# Altium PCB NORA-B1-EVK.PcbDoc (part 5 of 6)
Units mil, origin at the board's own origin, x right, y up, seen from the top; angles counter-clockwise.
Board outline 4300 x 2200 mil, 4 copper layers (L1, L2, L3, L4), stack 61.418 mil thick; 362 components, 204 nets, 1273 pads, 1409 vias.
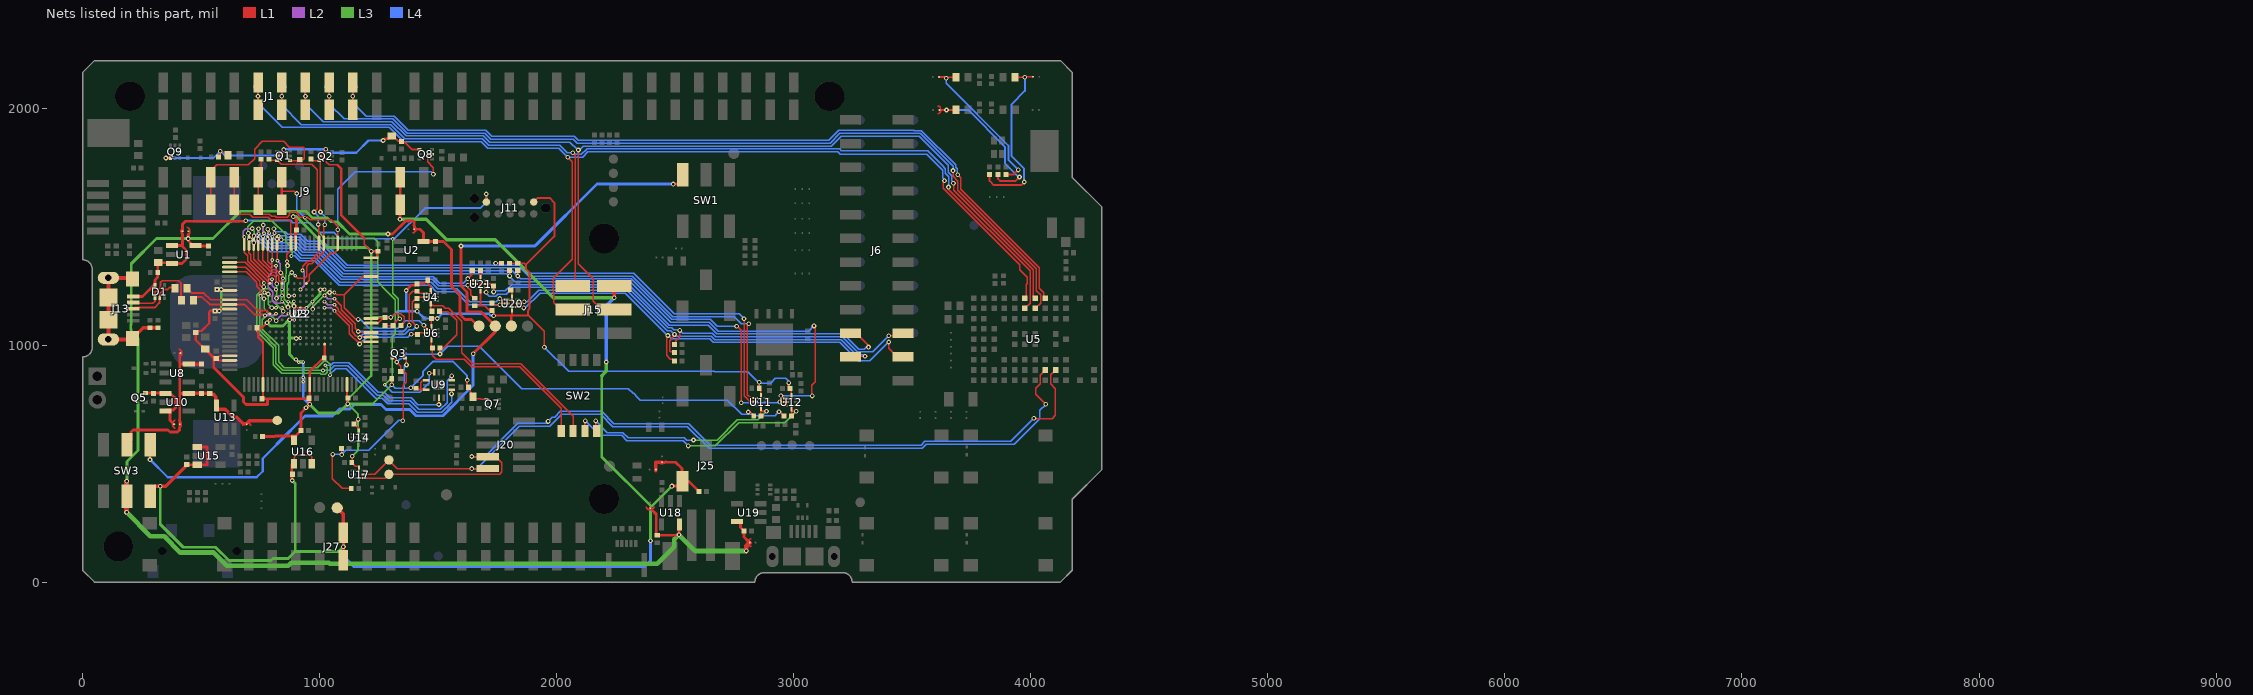
[diagram p7: the nets of this part, all layers, seen from the top]

## Via types
v1: diameter 20, hole 10, L1 to L4, 1095 vias
v2: diameter 15.75, hole 7.87, L1 to L2, 114 vias
v3: diameter 20, hole 10, L1 to L4, tented both sides, 105 vias
v4: diameter 15.75, hole 7.87, L3 to L4, 48 vias
v5: diameter 20, hole 10, L2 to L3, 47 vias

## Nets (pads, with @x,y where several pads share a name; then routed paths per layer and width w, separated by ;. In a path a pad name is that pad's centre, name@x,y a point inside that pad or via, vN(x,y) a via of type N, cw(c..) or ccw(c..) an arc to the next point about the centre after c; other vN are vias at no path point) (continued)
P111: J1.9 TP47.1 U5.H9 | length 3588.9
  L1 w6: v1(1140,2050) 1141,2106.68 J1.9@1140,2107.68 ; v1(3692.11,1718.59) 3704.48,1706.22 3704.48,1657.5 4034.9,1327.08 4034.9,1239.17 4053.5,1220.57 4053.5,1206.34 U5.H9@4061.61,1198.23
  L1 w8: J1.9@1140,1992.32 v1(1140,2050)
  L4 w6: TP47.1@1140,2090 v1(1140,2050) 1140,2023.26 1197.24,1966.02 1314.08,1966.02 1374.12,1905.98 1700.55,1905.98 1726.42,1880.11 2074.2,1880.11 2090.43,1863.87 3148.53,1863.87 3190.17,1905.51 3506.85,1905.51 3507.74,1904.62 3538.75,1904.62 3683.58,1759.79 3683.58,1751.05 3690.58,1744.05 3690.58,1728.39 3687.27,1725.09 v1@3692.11,1720.25
P112: J1.8 TP48.1 U5.G8 | length 3782.2
  L1 w6: J1.8@1040,1992.32 J1.8@1040,2107.68 v1(1040,2050) ; v1(3671.67,1736.22) 3671.67,1725.09 3671.67,1711.7 3692.58,1690.8 3692.58,1662.43 3692.58,1652.57 4022.99,1322.15 4022.99,1234.24 4023.8,1233.44 4023.8,1229.72 4040.87,1212.65 4040.87,1177.48 U5.G8@4018.31,1154.92
  L4 w6: TP48.1@1040,2090 v1(1040,2050) 1040.35,2049.65 1040.35,2016.73 1102.97,1954.12 1309.15,1954.12 1369.19,1894.08 1695.62,1894.08 1721.49,1868.2 2069.27,1868.2 2085.5,1851.97 3153.46,1851.97 3194.21,1892.72 3533.82,1892.72 3671.67,1754.86 v1(3671.67,1736.22)
P113: J1.7 J15.4 TP49.1 U5.G9 | length 4590.3
  L1 w6: J1.7@940,1992.32 J1.7@940,2107.68 v1(940,2050) ; v1(2091.54,1823.13) 2091.54,1342.52 2155,1279.06 2155,1185.55 2190.55,1150 J15.4@2242.4,1150 ; v1(3673.49,1683.15) 3674.39,1682.24 3674.39,1653.21 4010.47,1317.13 4010.47,1206.07 U5.G9@4018.31,1198.23
  L4 w6: TP49.1@940,2090 v1(940,2050) 940,2017.68 1015.46,1942.21 1304.21,1942.21 1364.25,1882.17 1690.68,1882.17 1716.56,1856.3 2055.43,1856.3 2088.6,1823.13 v1(2091.54,1823.13) ; v1@2091.54,1822.83 2094.18,1822.83 2110.91,1839.57 2122.93,1839.57 2123.02,1839.66 3158.56,1839.66 3199.71,1880.81 3528.89,1880.81 3651.51,1758.19 3651.51,1729.65 3663.84,1717.31 3664.12,1717.31 3666.49,1714.94 3666.49,1693.03 3673.49,1686.03 v1(3673.49,1683.15)
P114: J1.6 J15.1 TP50.1 U5.F8 | length 4443.8
  L1 w6: J1.6@840,1992.32 v1(840,2050) J1.6@840,2107.68 ; J15.1@2067.6,1250 2078.93,1261.33 2078.93,1799.9 v1(2067.6,1811.23) ; v1(3652.76,1666.47) 3652.76,1665.08 3652.56,1664.88 3652.56,1658.2 3997.56,1313.2 3997.56,1177.48 U5.F8@3975,1154.92
  L4 w6: TP50.1@840,2090 v1(840,2050) 840,2013.35 923.04,1930.31 1299.28,1930.31 1359.32,1870.27 1685.75,1870.27 1713.41,1842.61 2012.81,1842.61 2043.99,1811.43 2067.39,1811.43 v1(2067.6,1811.23) ; v1@2067.6,1810.71 2071.91,1810.71 2078.39,1804.23 2103.85,1804.23 2126.64,1827.01 2127.21,1827.01 2127.95,1827.76 3192.93,1827.76 3200.02,1820.66 3565.17,1820.66 3632.87,1752.95 3632.87,1749.81 3639.6,1743.08 3639.6,1724.72 3654.58,1709.73 3654.58,1666.47 v1(3652.76,1666.47)
P115: J1.5 J15.3 TP51.1 U5.F9 | length 4656.1
  L1 w6: J1.5@740,1992.32 v1(740,2050) J1.5@740,2107.68 ; v1(2046.16,1792.53) 2065.94,1772.74 2065.94,1361.18 1986.25,1281.49 1986.25,1221.31 1986.52,1221.04 1986.52,1181.24 1990.34,1177.42 1990.34,1177.03 2017.37,1150 J15.3@2067.6,1150 ; v1(3635.68,1693) 3636.52,1693 3638.08,1691.44 3631,1684.35 3631,1661.5 3953.74,1338.76 3953.74,1317.79 3985.24,1286.29 3985.24,1260.08 3980.63,1255.47 3980.63,1203.86 U5.F9@3975,1198.23
  L4 w6: TP51.1@740,2090 v1(740,2050) 740,2020.83 842.43,1918.4 1294.35,1918.4 1354.39,1858.36 1680.82,1858.36 1708.47,1830.71 2007.87,1830.71 2046.06,1792.53 v1(2046.16,1792.53) v1@2046.26,1792.53 ; v1@2046.26,1792.32 2108.78,1792.32 2131.57,1815.11 3186.09,1815.11 3197.06,1804.13 3561.71,1804.13 3627.69,1738.15 3627.69,1704.95 3638.08,1694.56 3636.52,1693 v1(3635.68,1693)
RGB_B: J5.1 LED2.1 R11.1 | length 754.1
  L1 w8: R11.1@3826,1720.25 3826,1693 3844,1675 3960,1675 3972,1687 v1(3972,1688) ; LED2.1@3934.59,2142 3946.67,2129.92 v1(3974.41,2129.92) 3976.38,2131.89 J5.1@4008.83,2131.89
  L4 w8: v1(3972,1688) 3972,1744 3919,1797 3919,2016 3975,2072 3975,2129.33 v1(3974.41,2129.92)
RGB_G: J7.1 LED3.1 R12.1 | length 654.9
  L1 w8: J7.1@3614,1992 3620.87,1992 v1(3644,1992) LED3.1@3683.41,1992 ; R12.1@3861,1720.25 3861,1702 3870,1693 3936,1693 v1(3952,1709)
  L4 w8: v1(3644,1992) 3735.2,1992 3891,1836.2 3891,1766.72 3948.72,1709 v1(3952,1709)
RGB_R: J4.1 LED1.1 R13.1 | length 646.4
  L1 w8: J4.1@3612.98,2131.44 3637.34,2131.44 v1(3643,2125.78) 3647.14,2129.92 LED1.1@3683.89,2129.92 ; R13.1@3896,1720.25 3928.25,1720.25 v1(3947,1739)
  L4 w8: v1(3643,2125.78) 3643,2104 3905,1842 3905,1781 v1(3947,1739)
RTSCTS_0_DIS: R49.1 SW2.8 U11.5 | length 907.5
  L1 w6: v1(2164.37,680.12) 2164.37,641.57 SW2.8@2168.9,637.04 ; R49.1@2861.25,701.43 U11.5@2861.25,723.56 ; U11.5@2861.25,733.61 U11.5@2861.25,723.56 ; v1(2884.84,721.46) 2867.02,721.46 2863.09,725.39 U11.5@2861.25,723.56
  L3 w6: v1(2576.77,599.47) 2677.22,599.47 2761.91,684.15 2847.54,684.15 v1(2884.84,721.46)
  L4 w6: v1(2164.37,680.12) 2213.49,631 2278.55,631 2301.29,608.27 2538.65,608.27 2547.45,599.47 v1(2576.77,599.47)
RTSCTS_2_DIS: R42.2 SW2.5 U6.5 | length 803.2
  L1 w6: U6.5@1471.03,1023.62 1471.03,992.08 R42.2@1475.9,987.2 ; R42.2@1475.27,986.58 R42.2@1475.9,987.2 ; SW2.5@2018.52,635.83 2018.52,734 1843.07,909.45 1640.52,909.45 1608.82,941.15 1490.92,941.15 1475.9,956.17 R42.2@1475.9,987.2
RXTX_0_DIS: R50.2 SW2.7 U12.5 | length 1090.4
  L1 w6: SW2.7@2118.9,637.04 2118.9,679.24 v1(2119.77,680.12) ; U12.5@2989.87,732.28 2990.55,731.61 U12.5@2990.55,721.11 ; R50.2@2990.55,700.84 U12.5@2990.55,721.11 ; v1(3010.68,721.11) U12.5@2990.55,721.11
  L3 w6: v1(2555.28,574.8) 2669.4,574.8 2766.84,672.24 2961.82,672.24 v1(3010.68,721.11)
  L4 w6: v1(2119.77,680.12) 2180.8,619.09 2273.62,619.09 2296.35,596.36 2533.72,596.36 v1(2555.28,574.8)
RXTX_2_DIS: R33.2 SW2.6 U4.5 | length 972.3
  L1 w6: R33.2@1473.29,1143 1468.5,1147.79 U4.5@1468.5,1175.2 1478.14,1165.56 1518.44,1165.56 1529.19,1154.81 1544.61,1154.81 1599.02,1100.4 1599.02,967.79 1645.45,921.35 1848,921.35 2068.9,700.46 SW2.6@2068.9,637.04
SHIELD: C17.2 J13.6 R35.1 | length 587.4
  L1 w16: J13.6@206.28,1283.66 J13.6@108.84,1283.66 J13.6@108.84,1200.98 J13.6@108.84,1106.5 J13.6@108.86,1023.82 206.28,1023.82 J13.6@210.22,1027.76 255.77,1073.31 C17.2@283.47,1073.31 R35.1@318.47,1073.31
SHLD_SWDCLK: J9.5 Q8.2 R81.2 U3.80 U22.A7 | length 1630.2
  L1 w6: R81.2@752.91,1783.72 752.91,1720.58 J9.5@740,1707.68 J9.5@740,1592.32 740,1569.29 757.08,1552.21 788.23,1552.21 796.84,1543.61 812.93,1543.61 816.23,1540.31 863.77,1540.31 870.76,1547.3 870.76,1553.36 879.69,1562.29 898.34,1562.29 911.02,1549.61 911.02,1545.52 916.23,1540.31 947.6,1540.31 960.05,1527.86 1048.43,1527.86 1075.79,1500.5 v1(1075.79,1486.46) U3.80@1075.79,1430.33 1075.79,1402.49 1060.44,1387.14 1047.19,1387.14 956.57,1296.52 956.57,1272.72 U22.A7@943.9,1260.04 ; Q8.2@1473.98,1805.12 1459.95,1805.12 1455.03,1800.2 1455.03,1772.5 1479.84,1747.69 v1(1479.84,1721.12)
  L4 w6: v1(1075.79,1486.46) 1075.79,1657.05 1149.06,1730.33 1470.63,1730.33 v1(1479.84,1721.12)
SHLD_SWDIO: J9.4 U3.90 U22.D5 | length 811.7
  L1 w6: J9.4@640,1707.68 640,1569.29 657.08,1552.21 704.33,1552.21 716.78,1539.76 782.09,1539.76 793.45,1528.4 870.22,1528.4 878.94,1519.68 U3.90@878.94,1430.33 878.94,1400.29 861.79,1383.14 v2(861.79,1353.35)
  L2 w6: v2(861.79,1353.35) 861.79,1338.18 v5(864.47,1335.49) ; v2(890.92,1184.07) 891.31,1183.68 891.31,1164.88 v5(891.7,1164.49)
  L3 w6: v5(864.47,1335.49) 859.38,1330.4 859.38,1300.08 856.91,1297.61 856.91,1270.82 850.36,1264.26 850.36,1192.87 863.11,1180.12 876.07,1180.12 v5(891.7,1164.49)
SHLD_SWO: J9.6 U9.3 | length 1629.7
  L1 w6: J9.6@832.88,1561.02 J9.6@837.8,1556.1 ; 840,1649.61 893.29,1649.61 v1(903.16,1639.74) ; v1(1461.67,881.38) 1478.72,881.38 U9.3@1483.16,885.83
  L1 w12: J9.6@837.8,1556.1 840,1558.3 J9.6@840,1592.32 840,1649.61 J9.6@840,1707.68
  L3 w6: v4(937.28,1537.68) 937.28,1533.32 1020.6,1450 1230,1450 1244.21,1435.79 1244.21,1266.38 1281.68,1228.91 1281.68,1228.35 1319.13,1190.89 1319.13,1048.37 1306.1,1035.34 1306.1,864.34 v4(1274.43,832.68)
  L4 w6: v1(903.16,1639.74) 903.16,1571.81 v4(937.28,1537.68) ; v4(1274.43,832.68) 1306.47,800.64 1422.69,800.64 1462.6,840.55 1461.67,841.48 v1(1461.67,881.38)
SHLD_VTG: J9.3 Q1.4 R8.2 | length 731.5
  L1 w6: J9.3@540,1592.32 J9.3@540,1707.68 540,1733.9 565.94,1759.84 698.72,1759.84 725.78,1786.9 725.78,1826.31 758.63,1859.16 849.09,1859.16 872.61,1835.63 929.78,1835.63 935.6,1829.81 935.6,1787.4 930.77,1782.57 R8.2@915.87,1782.57 911.93,1778.64 Q1.4@874.49,1778.64
SWCLK: J20.4 TP27.1 U5.J2 U17.6 | length 3629.5
  L1 w6: U17.6@1188.62,439.25 1276.25,439.25 TP27.1@1292,455 1759.03,455 1769,464.97 1769,504 1750,523 J20.4@1710.23,523 ; v1(1641.64,529.96) 1707.27,529.96 J20.4@1708.23,529 ; v1(4013.02,690.9) 4011.66,689.54 4012.22,688.98 4089.61,688.98 4103.98,703.35 4103.98,816.39 4084.2,836.16 4084.2,874.36 U5.J2@4104.92,895.08
  L4 w6: v1(1641.64,529.96) 1695.95,529.96 1835.88,669.9 1955.39,669.9 v3(1963.58,678.09) 1982.08,696.59 1992.15,696.59 2015.54,719.98 2189.58,719.98 2241.15,668.4 2556.11,668.4 2647.11,577.4 3536.94,577.4 3552.95,593.41 3641,593.41 3641.39,593.8 3915.92,593.8 4010.47,688.35 4011.66,688.35 4011.66,689.54 v1(4013.02,690.9)
SWD_SEL0: Q2.3 R6.2 U3.83 U22.C5 | length 784.3
  L1 w6: v2(897.14,1292.7) 908.34,1281.51 936.63,1281.51 944.67,1289.55 944.67,1332.79 954.49,1342.61 965.84,1342.61 1016.73,1393.5 U3.83@1016.73,1430.33 1016.73,1503.87 v1(1020.86,1507.99) ; R6.2@962.97,1784.45 969.77,1777.65 Q2.3@998.71,1777.65 999,1777.65 1001.91,1774.75 1001.91,1562.5 v1(1003.16,1561.24)
  L2 w6: v5(869.26,1207.37) 870.75,1208.86 v2(892.72,1208.86) ; v5(882.5,1306.37) 896.17,1292.7 v2(897.14,1292.7)
  L3 w6: v5(869.26,1207.37) 862.26,1214.37 862.26,1259.33 868.82,1265.88 868.82,1278.27 869.09,1278.54 869.09,1292.96 v5(882.5,1306.37)
  L4 w6: v1(1003.16,1561.24) 1003.16,1561.03 1020.86,1543.33 v1(1020.86,1507.99)
SWD_SEL1: Q1.3 R5.2 U3.84 U22.B6 | length 784.5
  L1 w5.91: U22.B6@918.31,1234.45 919.2,1234.45 v2(919.34,1234.31)
  L1 w6: R5.2@788.75,1781.5 790.62,1779.62 821.34,1779.62 838.01,1762.95 967.02,1762.95 990,1739.98 990,1580.22 989.28,1579.5 989.28,1575.26 976.43,1562.41 v1(976.43,1561.24) ; v2(927.89,1314.35) 927.89,1332.85 949.55,1354.51 960.9,1354.51 997.05,1390.65 U3.84@997.05,1430.33 997.05,1504.96 v1(993.42,1508.58)
  L2 w6: v2(919.34,1234.31) 918.75,1234.89 934.97,1251.11 934.97,1307.27 v2(927.89,1314.35)
  L4 w6: v1(976.43,1561.24) 993.42,1544.24 v1(993.42,1508.58)
SWDIO: J20.2 TP24.1 U5.H2 U17.7 | length 3379.3
  L1 w6: U17.7@1188.62,455 1232,455 TP24.1@1292,515 1328,479 v1(1641.64,479) J20.2@1675.94,479 ; U5.H2@4061.61,895.08 4039.96,873.43 4039.96,836.19 4020.94,817.17 4020.94,791.69 v1(4062.63,750)
  L4 w6: v1(1641.64,479) 1661.82,479 1840.82,657.99 1970.4,657.99 2020.47,708.07 2184.65,708.07 2236.22,656.49 2551.18,656.49 2642.76,564.91 3541.29,564.91 3557.88,581.5 3645.93,581.5 3646.32,581.9 3930.75,581.9 4038.28,689.42 4038.28,724.48 4062.63,748.83 v1(4062.63,750)
SWO: U3.2 U9.8 U22.E3 | length 1610.4
  L1 w6: U3.2@620.08,1348.63 684.92,1348.63 767.67,1265.89 767.67,1265.25 v2(764.54,1262.12) ; v1(1502.98,749.56) 1503.09,749.67 1503.09,778.76 U9.8@1503.2,778.87
  L2 w5.91: v5(763.76,1245.44) 764.15,1245.83 764.15,1261.73 v2(764.54,1262.12)
  L2 w6: v2@841.65,1157.57 841.65,1142.61 843.73,1140.54 v5(845.8,1142.61)
  L3 w6: v5(845.8,1142.61) 799.01,1189.4 799.01,1205.48 801.79,1208.26 801.79,1224.53 788.99,1237.33 771.88,1237.33 v5(763.76,1245.44) 763.76,1239.4 733.81,1209.45 733.81,1058.3 803.24,988.87 803.24,918.13 840.09,881.29 1002.46,881.29 1007.34,876.41 1022.88,876.41 1031.5,885.03 1031.5,904.7 1023.59,912.6 v4(1023.59,915.24)
  L4 w6: v4(1023.59,915.24) 1047.47,915.24 1056.96,924.73 1122.67,924.73 1246.77,800.62 1272.82,800.62 1296.61,776.83 1386.11,776.83 1413.6,749.34 1502.76,749.34 v1(1502.98,749.56)
  other v2: 841.54,1157.68
SWOSel0: U3.3 U9.12 U22.E2 | length 1629.6
  L1 w6: U3.3@620.08,1328.95 687.77,1328.95 747.05,1269.67 747.05,1254.19 765.15,1236.09 765.15,1223.75 v2(767.02,1221.89) ; U9.12@1556.35,851.7 1557.09,852.44 v1(1557.09,870.08)
  L2 w6: v2(767.02,1221.89) 768.88,1220.02 774.81,1220.02 779.48,1215.35 v5(782.88,1215.35) ; v5@798.45,1157.66 815.71,1157.66 v2@815.83,1157.78
  L3 w6: v5(782.88,1215.35) 782.43,1215.8 758.08,1215.8 746.21,1203.93 746.21,1062.74 815.15,993.8 815.15,923.06 845.02,893.19 v4(1014.29,893.19) ; v5@783.08,1215.55 783.79,1214.84 783.79,1203.93 784.02,1203.7 784.02,1188.03 783.79,1187.8 783.79,1172.3 v5(798.43,1157.65)
  L4 w6: v4(1014.29,893.19) 1042.26,893.19 1061.89,912.82 1117.73,912.82 1241.84,788.71 1267.89,788.71 1291.68,764.92 1381.18,764.92 1417.15,728.95 1509.11,728.95 1537.2,757.04 1537.2,850.19 v1(1557.09,870.08)
  other v2: 815.94,1157.68
SWOSel1: U3.4 U9.10 U22.F4 | length 1604.3
  L1 w6: U3.4@620.08,1309.26 690.62,1309.26 735.14,1264.74 735.14,1249.26 750,1234.4 v2(750,1207.68) ; v1(1556.1,794.2) 1556.1,812.09 U9.10@1556.35,812.33
  L2 w6: v2(750,1207.68) 751.65,1207.68 763.46,1195.86 v5(765.11,1195.86) ; v5(816.23,1102.4) 816.23,1104.76 835.17,1123.7 858.74,1123.7 v2(867.13,1132.09)
  L3 w6: v5(765.11,1195.86) 766.27,1194.7 766.27,1152.36 785.34,1133.29 ; v5(816.23,1102.4) 785.34,1133.29 ; v4(1043.42,873.23) 1043.53,873.33 1043.53,875.59 1043.53,919.03 1030.21,932.35 1016.97,932.35 990.08,905.45 850.36,905.45 827.05,928.76 827.05,998.74 758.11,1067.68 758.11,1106.07 785.34,1133.29
  L4 w6: v4(1043.42,873.23) 1041.28,875.37 1066.82,900.92 1112.8,900.92 1236.91,776.81 1262.95,776.81 1286.75,753.02 1376.24,753.02 1412.22,717.04 1514.04,717.04 1556.1,759.11 v1(1556.1,794.2)
USB_N: R28.2 U3.11 U22.F2 | length 391.2
  L1 w8: R28.2@467.39,1188.98 467.39,1191.93 478.15,1202.69 482.78,1202.69 482.84,1202.76 504.72,1202.76 536.01,1171.47 U3.11@620.08,1171.47 682.6,1171.47 725.77,1128.3 765.95,1128.3 v2(769.25,1125)
  L2 w8: v2(769.25,1125) 806.59,1125 813.84,1132.24 v2(815.93,1132.24)
USB_P: R24.2 U3.10 U22.F1 | length 396.2
  L1 w8: R24.2@440.69,1240.35 440.69,1237.4 451.45,1226.64 453.16,1226.64 460.31,1219.49 511.81,1219.49 540.15,1191.15 U3.10@620.08,1191.15 692.36,1191.15 738.03,1145.48 776.96,1145.48 U22.F1@790.35,1132.09
USBD_N: D1.1 J13.2 R28.1 | length 343.6
  L1 w8: J13.2@221.46,1176.38 296.62,1176.38 305.56,1185.32 D1.1@305.56,1199.43 305.56,1223.67 329.03,1247.13 329.03,1265.58 334.88,1271.43 404.92,1271.43 415.1,1261.25 415.1,1190.09 R28.1@416.21,1188.98 ; J13.2@221.46,1180.59 J13.2@221.77,1180.59
USBD_P: D1.2 J13.3 R24.1 | length 228.1
  L1 w8: J13.3@220.62,1158.38 304.08,1158.38 323.56,1177.86 323.56,1199.43 D1.2@325.25,1199.43 325.25,1216.72 342.25,1233.72 357.73,1233.72 367.43,1243.42 386.45,1243.42 R24.1@389.51,1240.35
V5DEBUG: C2.1 C7.1 D1.5 J11.5 J13.1 JDSB.2 R37.2 R38.2 U1.1 U1.3 | length 2403.6
  L1 w6: R37.2@1275.71,1082.48 R38.2@1309.15,1082.48 ; R38.2@1309.74,1082.48 R38.2@1309.15,1082.48 ; v1(1338.04,1110.71) 1334.03,1110.71 1309.15,1085.82 R38.2@1309.15,1082.48 ; J11.5@1703,1603.58 v1(1703,1637.56) v1@1703,1639.02
  L1 w12: J13.1@214.16,1204.92 253.17,1204.92 305.25,1257 305.25,1275 316.99,1286.75 C7.1@316.99,1306 316.99,1345.16 C2.1@319.25,1347.41 374.48,1347.41 U1.3@377.2,1344.7 419.83,1344.7 438.08,1362.95 438.08,1399.12 417.7,1419.5 ; U1.1@377.2,1419.5 417.7,1419.5 ; 421.27,1469.09 421.27,1466.27 421.27,1423.07 417.7,1419.5 ; JDSB.2@421.27,1480.17 421.27,1494.07 421.27,1509.9 434.1,1522.74 687.15,1522.74 v1(688.61,1524.19)
  L3 w6: v4(1308.38,1448.29) 1308.07,1447.99 1308.07,1218.79 1331.04,1195.83 1331.04,1117.71 v1(1338.04,1110.71)
  L4 w6: v4(1308.38,1448.29) 1308.55,1448.46 v4@1308.72,1448.63
  L4 w8: v1(688.61,1524.19) 690.23,1525.81 877.04,1525.81 886.79,1516.06 957.79,1516.06 998.16,1475.69 1058.4,1475.69 1085.63,1448.46 v4@1308.55,1448.46 ; v4@1308.72,1448.63 1315.38,1448.63 1444.51,1577.76 1677.17,1577.76 1703,1603.58 v1(1703,1637.56)
VBAT: C25.1 JBAT.2 Q5.2 U10.1 U10.3 | length 302.8
  L1 w12: Q5.2@265.35,798.23 266.34,797.24 348.02,797.24 U10.1@349,796.26 353.83,791.43 375.13,791.43 377.2,789.37 377.67,789.37 391.34,775.7 391.34,735.44 382.18,726.28 353.83,726.28 U10.3@349,721.46 363.77,721.46 368.59,716.63 368.59,682.66 379.38,671.88 JBAT.2@385.24,666.02
VBUS: SW1.3 SW3.1 TP13.1 | length 3511
  L1 w10: v1(283.91,516.94) 283.91,577.81 SW3.1@285.04,578.94
  L1 w12: v1(1596.21,1418.06) 1596.21,1249.69 1621.72,1224.18 1621.72,1140.95 1680.03,1140.95 TP13.1@1740.64,1080.34 1740.64,1056.59 v1(1647.9,963.86) ; v1(2492.04,1679.28) 2525.89,1679.28 2531.57,1684.96 SW1.3@2531.57,1718.27 SW1.3@2547.05,1733.75
  L4 w10: v1(283.91,516.94) 358.68,442.17 733.8,442.17 759.59,467.95 759.59,521.28 818.9,580.59 818.9,582.01
  L4 w12: 818.9,582.01 937.71,700.82 1054.51,700.82 1083.78,730.09 1127.13,730.09 1146.38,749.34 1258.85,749.34 1280.01,728.18 1380,728.18 1406.05,702.14 1520.21,702.14 1646.99,828.91 1646.99,962.94 v1(1647.9,963.86) ; v1(1596.21,1418.06) 1907.99,1418.06 1911.32,1421.38 1911.44,1421.26 2169.47,1679.28 v1(2492.04,1679.28)
VBUS_H: C40.1 C44.1 J9.11 J15.2 J25.3 J27.5 JHV.2 JRHV.2 R59.1 SW3.4 TP29.1 TP84.1 U15.1 U15.3 U16.1 U16.3 | length 6528.5
  L1 w6: U16.1@891.73,499.84 891.73,527.42 898.78,534.47 960.44,534.47 966.54,528.37 U16.3@966.54,499.84
  L1 w12: C40.1@442.16,495.43 442.23,495.36 U15.3@483.34,495.36 ; U15.3@483.27,495.29 U15.3@483.34,495.36 ; U15.1@483.27,570.09 523.91,570.09 523.91,495.36 U15.3@483.34,495.36 ; U16.1@882.28,497.61 882.28,458.11 C44.1@885.39,455 883.86,453.46 v1(883.86,428.8) ; J27.5@1100,92.32 v1(1100,149.84) ; v1@1100,150 J27.5@1100,207.68 ; v1(1338.93,1530.94) 1338.93,1591.25 J9.11@1340,1592.32 J9.11@1340,1707.68 ; JHV.2@2444.47,505.91 2458.37,505.91 2501.64,505.91 2528.54,479 2528.54,426.5 J25.3@2530,425.04 ; v1(2485.9,405.23) 2510.19,405.23 J25.3@2530,425.04 ; J25.3@2530,441 J25.3@2530,425.04 ; R59.1@2598.25,384.98 2558.19,425.04 J25.3@2530,425.04
  L1 w15: SW3.4@285.04,362.4 285.04,387.99 301.16,404.11 v1(327.25,404.11) 350.25,404.11 441.57,495.43 C40.1@442.16,495.43 ; TP29.1@1073.92,313.56 1100,287.48 J27.5@1100,207.68 ; v1(2242.4,1200.06) J15.2@2242.4,1250 ; 2418.56,469.28 2418.56,504.78 2419.69,505.91 2430.57,505.91 JHV.2@2444.47,505.91
  L3 w12: v1(327.25,404.11) 327.25,244.39 424.73,146.91 561.16,146.91 617.27,90.8 795.3,90.8 804.41,99.91 867.41,99.91 896.9,129.4 ; v1(883.86,428.8) 896.9,415.76 896.9,129.4 ; v1(1100,149.84) 1099.84,149.84 1079.4,129.4 964.96,129.4 896.9,129.4 ; 2191.22,870.45 2189.96,869.19 2189.96,527.79 2399.21,318.54 ; v1(2395.66,174.53) 2395.66,314.99 2399.21,318.54 ; v1(2485.9,405.23) 2399.21,318.54
  L3 w15: v1(1338.93,1530.94) 1449.37,1530.94 1535.52,1444.79 1741.23,1444.79 1985.96,1200.06 v1(2242.4,1200.06) ; 2191.22,870.45 2190.55,871.12 2208.9,889.47 v1(2208.9,928.49)
  L4 w12: v1(1100,149.84) TP84.1@1100,110 1145.04,64.96 2370.09,64.96 2395.66,90.53 v1(2395.66,174.53)
  L4 w15: v1(2208.9,928.49) 2208.9,1166.56 v1(2242.4,1200.06)
VBUS_H_SRC: C4.1 C6.1 C51.1 C52.1 JBSB.1 JDSB.1 JLP.1 JVIN.1 SW3.5 TP12.1 U1.5 U2.5 U18.5 U19.5 | length 6551
  L1 w12: v1(444.8,1449.37) v1@445.87,1449.37 ; 445.87,1469.09 445.87,1466.27 v1@445.87,1449.37 ; C4.1@530.51,1418.31 476.81,1418.31 U1.5@475.62,1419.5 465.54,1419.5 445.87,1439.17 v1@445.87,1449.37 ; v1(1288.32,1468.67) 1307.63,1468.67 1363.16,1524.19 1394.05,1524.19 1398.62,1519.62 1398.62,1502.9 JVIN.1@1398.62,1488.99 1405.49,1488.99 1422.91,1488.99 1437.99,1473.92 U2.5@1437.99,1436.9 1438.1,1437.01 C6.1@1488.14,1437.01 1522.03,1437.01 1556.1,1402.93 1556.1,1247.63 1591.91,1211.83 1591.91,1128.6 1612.66,1107.84 1640.49,1107.84 1667.99,1080.34 TP12.1@1671.85,1080.34 ; JLP.1@2394.41,311.87 2400.27,306.01 2419.87,286.42 2419.87,202.07 2424.1,197.83 C51.1@2424.21,197.83 2508.72,197.83 2515.75,204.86 2515.75,241.47 U18.5@2517.4,243.13 ; U19.5@2760.92,255.83 2770.84,255.83 2775.67,251 2775.67,230.87 2790.28,216.26 C52.1@2790.28,215.67 2790.28,190.64 2808.12,172.79 JBSB.1@2813.98,166.93
  L1 w20: v1(185.3,295.28) 185.3,424.95 v1(186.61,426.26) ; v1(2799.21,131.89) 2799.21,152.16 2808.12,161.07 JBSB.1@2813.4,166.35
  L3 w12: v1(186.61,426.26) 186.61,509.45 233.15,555.98 233.15,1026.83 205,1054.98 205,1065.91 203.21,1067.7 203.21,1085.85 205,1087.64 205,1343.39 310.98,1449.37 v1(444.8,1449.37) 550.06,1449.37 665.65,1564.96 941.73,1564.96 970.27,1536.42 1032.49,1536.42 1048.57,1520.34 1074.21,1520.34 1125.87,1468.67 v1(1288.32,1468.67)
  L3 w20: v1(186.61,426.26) 185.3,424.95 v1(185.3,295.28) 185.3,294.16 285.56,193.9 343.5,193.9 412.4,125 552.09,125 608.2,68.89 867.37,68.89 880.72,82.24 1039.1,82.24 1043.34,78 2423.79,78 2496.14,150.35 2496.14,180.39 v1(2515.75,200) 2584.45,131.3 2798.62,131.3 v1(2799.21,131.89)
VBUS_SRC: C23.1 C26.1 C27.1 JBAT.1 JEXT.1 JVDD.1 SW3.2 TP16.1 U8.5 U10.5 U13.5 | length 1184.4
  L1 w10: JVDD.1@689.96,668.3 694.66,673
  L1 w12: SW3.2@186.61,578.94 203.74,596.06 203.74,632.72 213.1,642.08 360.06,642.08 369.18,632.96 399.85,632.96 409.84,642.95 409.84,652.12 JBAT.1@409.84,666.02 409.84,679.92 409.84,796.26 ; JEXT.1@412.19,966.14 409.84,963.79 409.84,950.72 409.84,919.5 ; U10.5@442.6,791.43 U10.5@447.43,796.26 ; U10.5@442.6,796.26 409.84,796.26 ; U8.5@447.43,919.5 409.84,919.5 ; 409.84,796.26 409.84,919.5
  L1 w15: U10.5@447.43,796.26 C27.1@500.98,796.26 C26.1@536.01,796.26 538.75,793.52 549.78,793.52 561.07,782.23 561.07,748.29 U13.5@564.4,744.96 564.4,732.66 567.73,729.33 600.39,729.33 611.61,718.11 611.61,717.18 633.04,695.75 649.61,695.75 677.05,668.3 680.08,668.3 JVDD.1@689.96,668.3 ; U8.5@447.43,919.5 447.52,919.59 500.9,919.59 C23.1@500.98,919.68 ; 694.66,673 703.13,681.47 TP16.1@812.01,681.47
VCOM0_CTS: R19.1 U3.94 U11.3 U22.D3 | length 2955.9
  L1 w5.91: U3.94@800.2,1430.33 v2(800.2,1457.2)
  L1 w6: v2(799.94,1358.81) 799.94,1430.07 U3.94@800.2,1430.33 ; v1(1741.95,1345.47) 1766.44,1345.47 R19.1@1766.73,1345.18 ; v1@2784.09,1110 v1@2785.7,1111.61 ; v1@2785.99,1111.91 v1@2785.7,1111.61 ; U11.3@2837.63,761.17 2816.54,761.17 2791.68,786.03 2791.68,1083.91 2790,1085.59 v1(2790,1111.61) v1@2785.7,1111.61
  L2 w6: v2(799.94,1358.81) 798.49,1357.36 798.49,1304.96 782.44,1288.91 782.44,1270.66 782.67,1270.44 782.67,1243.65 801.79,1224.53 801.79,1208.26 799.01,1205.48 799.01,1186.56 809.38,1176.18 834.44,1176.18 v2(841.54,1183.28) ; v2(800.2,1457.2) 800.79,1457.2 809.01,1465.42 809.01,1490.47 v5(806.88,1490.47)
  L3 w6: v5(806.88,1490.47) 809.01,1490.47 809.01,1475.08 807.48,1473.55 809.01,1473.55 v4(809.01,1472.31)
  L4 w6: v4(809.01,1472.31) 810.77,1472.31 815.64,1477.19 854.92,1477.19 864.67,1467.44 920.67,1467.44 949.13,1438.98 1013.78,1438.98 1115.42,1337.34 v1@1742.4,1337.34 ; v1(1741.95,1345.47) 1741.95,1337.79 v1@1742.4,1337.34 ; v1(2790,1111.61) 2769.39,1132.22 2495.02,1132.22 2324.45,1302.79 1886.31,1302.79 1851.76,1337.34 v1@1742.4,1337.34
VCOM0_RTS: U3.93 U11.2 U22.D4 | length 2841
  L1 w6: U3.93@819.88,1430.33 820.86,1429.34 820.86,1355.89 821.39,1355.36 v2(821.69,1355.66) ; v1(2810,1090) 2803.58,1083.58 2803.58,790.97 2817.63,776.92 U11.2@2837.63,776.92
  L2 w6: v2(819.88,1447.06) 835.08,1447.06 v5(837.34,1444.79) ; v2(821.69,1355.66) 821.69,1355.06 833.66,1343.09 833.66,1305.4 v5(835.3,1305.4) ; v5(866.14,1160.25) 867.23,1161.34 v2@867.23,1183.39
  L3 w6: v4(827.09,1460.41) 827.09,1455.04 v5(837.34,1444.79) ; v5(835.3,1305.4) 838.82,1305.4 839.86,1306.44 844.63,1301.67 844.63,1290.03 845.01,1289.65 845.01,1275.75 837.34,1268.08 837.34,1189.05 v5(866.14,1160.25)
  L4 w6: v4(827.09,1460.41) 854.87,1460.41 859.74,1455.53 915.74,1455.53 944.2,1427.07 1008.65,1427.07 1110.29,1325.43 1846.83,1325.43 1881.38,1290.89 2319.52,1290.89 2490.09,1120.32 2749.01,1120.32 2779.33,1090 v1(2810,1090)
  other v2: 867.13,1183.27
VCOM0_RxD: R20.1 U3.95 U12.3 U22.C3 | length 3028.1
  L1 w6: U3.95@780.51,1430.33 780.51,1354.51 800.17,1334.85 815.15,1334.85 v2(815.27,1334.98) ; v1(1835.43,1291.24) 1835.63,1291.43 R20.1@1835.63,1313.98 ; v1(2758.78,1079.76) 2760.32,1079.76 2760.56,1080 2778.54,1062.02 v1(2778.54,756.93) ; v1(2940.89,759.84) U12.3@2966.25,759.84
  L2 w6: v2(780.51,1447.06) 781.02,1447.57 v5(781.02,1488.94) ; v2(815.27,1334.98) 815.27,1333.47 816.31,1332.43 816.31,1260.88 v5(818.44,1258.75) ; v5(817.91,1197.65) 822.7,1202.44 822.7,1202.53 829.27,1209.1 841.28,1209.1 v2@841.42,1208.96
  L3 w6: v5(781.02,1488.94) 781.02,1484.22 787.35,1477.88 v4(787.35,1472.31) ; v5(817.91,1197.65) 818.9,1198.64 818.9,1258.3 v5(818.44,1258.75)
  L4 w6: v4(787.35,1472.31) 787.4,1468.5 812.28,1443.63 910.8,1443.63 939.27,1415.17 1003.14,1415.17 1104.78,1313.53 1813.15,1313.53 v1(1835.43,1291.24) 1840.26,1286.42 1847.69,1278.98 2314.59,1278.98 2485.16,1108.41 2648.02,1108.41 2676.67,1079.76 v1(2758.78,1079.76) ; v1(2778.54,756.93) 2937.97,756.93 v1(2940.89,759.84)
  other v2: 841.54,1208.86
VCOM0_TxD: R21.1 U3.96 U12.2 U22.B3 | length 3343.2
  L1 w5.91: U3.96@760.8,1430.35 v2(760.82,1457.51) ; U22.B3@838.79,1237.08 841.42,1234.45 U22.B3@841.54,1234.45 v2(841.54,1233.83)
  L1 w6: U3.96@760.83,1430.33 760.83,1357.36 799.98,1318.2 816.04,1318.2 845.01,1289.23 v2(845.01,1281.51) ; v1(1801.18,1291.93) R21.1@1801.18,1313.98 ; v1(2945.78,786.46) 2956.65,775.59 U12.2@2966.25,775.59 ; v1(3077.7,785.56) 3076.58,786.69 3076.58,831.24 3090.35,845.01 3090.35,1070.54 3085.15,1075.75 v1(3085.15,1080.91)
  L2 w6: v2(760.82,1457.51) 760.8,1505.33 v5(762.14,1506.67) ; v2(841.54,1233.83) 845.01,1237.31 v2(845.01,1281.51)
  L3 w6: v5(762.14,1506.67) 762.12,1481.11 764.79,1478.44 764.79,1474.86 v4(764.79,1471.56)
  L4 w6: v4(764.79,1471.56) 764.79,1471.15 804.22,1431.72 905.87,1431.72 934.34,1403.26 998.21,1403.26 1099.85,1301.62 1101.74,1301.62 1102.44,1300.93 1789.83,1300.93 1800.01,1290.75 1823.68,1267.08 2309.66,1267.08 2480.23,1096.5 2643.09,1096.5 2680.44,1059.15 3063.39,1059.15 v1(3085.15,1080.91) ; v1(2945.78,786.46) 2946.67,785.56 v1(3077.7,785.56)
VCOM1_CTS: R30.1 U3.98 U21.2 U22.A2 | length 1360.8
  L1 w5.91: U3.98@720.97,1457.17 720.97,1430.81 U3.98@721.46,1430.33 ; U3.98@720.98,1457.18 v2(721.45,1457.18)
  L1 w6: U3.98@721.46,1430.33 721.46,1363.06 790.12,1294.39 806.17,1294.39 816,1284.56 816,1260.1 U22.A2@815.94,1260.04 ; R30.1@1643.45,1314.94 1643.45,1299.12 v1(1625,1280.67) 1632.07,1273.6 U21.2@1655.35,1273.6
  L2 w6: v2(721.45,1457.18) 721.98,1457.17 739.15,1474.34 739.15,1487.76 v5(741.83,1490.44)
  L3 w6: v5(741.83,1490.44) 742.5,1489.77 742.5,1470.81 v4(743.18,1470.14)
  L4 w6: v4(743.18,1470.14) 743.18,1469.44 757.84,1454.78 764.32,1454.78 799.28,1419.82 900.94,1419.82 929.4,1391.35 993.28,1391.35 1094.92,1289.72 1096.81,1289.72 1097.51,1289.02 1480.06,1289.02 1507.28,1261.81 1606.14,1261.81 v1(1625,1280.67)
VCOM1_CTS_SYS: J6.19 R85.1 U21.7 | length 1875
  L1 w6: U21.7@1702.59,1257.85 1720.38,1257.85 1729.07,1249.17 R85.1@1733.73,1249.17 v1(1733.73,1224.38) ; J6.19@3238.78,1050 3264.49,1050 3315.19,999.3 v1(3315.19,991.53)
  L4 w6: v1(1733.73,1224.38) 1737.9,1228.55 1783.36,1228.55 1809.98,1255.17 2304.73,1255.17 2475.3,1084.6 2638.16,1084.6 2675.51,1047.24 3209.11,1047.24 3273.09,983.27 3297.47,983.27 3305.74,991.53 v1(3315.19,991.53)
VCOM1_RTS: U3.97 U20.2 U22.A3 | length 1467.1
  L1 w6: U3.97@741.14,1430.33 741.14,1360.21 795.05,1306.3 811.11,1306.3 827.91,1289.49 827.91,1289.42 828.23,1289.1 828.23,1273.35 U22.A3@841.54,1260.04 ; v1(1760,1196.09) 1760.96,1196.09 1764.93,1192.13 U20.2@1788.19,1192.13
  L2 w6: v5(722.05,1431.72) 725.81,1431.72 v2@741.65,1447.57
  L3 w6: v4(708.83,1445.68) 708.83,1444.94 v5(722.05,1431.72)
  L4 w6: v4(708.83,1445.68) 708.64,1445.51 708.64,1439.18 739.76,1439.18 747.98,1430.97 754.46,1430.97 790.93,1394.5 892.59,1394.5 919.99,1367.09 983.86,1367.09 1085.05,1265.91 1085.65,1265.91 1086.64,1264.92 1470.49,1264.92 1497.41,1238 1576.05,1238 1577.92,1238 1609.75,1206.17 1634.01,1181.91 1744.85,1181.91 1759.04,1196.09 v1(1760,1196.09)
  other v2: 741.14,1447.06
VCOM1_RTS_SYS: J6.21 R83.1 U20.7 | length 1772
  L1 w6: U20.7@1835.43,1176.38 1858.76,1176.38 1862.47,1180.09 v1(1862.47,1183.2) ; R83.1@2496.67,967.79 2493,971.46 2480.39,971.46 2476.46,975.39 2476.46,1019.19 2496.63,1039.37 v1(2496.63,1045.08) ; J6.21@3238.78,950 3241.24,952.46 v1(3300.2,952.46)
  L4 w6: v1(1862.47,1183.2) 1875.46,1183.22 1878.95,1186.71 1923.6,1231.36 2294.86,1231.36 2465.44,1060.79 2480.92,1060.79 v1(2496.63,1045.08) ; v1@2496.63,1044.13 2502.96,1037.79 2651.29,1037.79 2665.65,1023.43 3199.25,1023.43 3263.23,959.46 3289.69,959.46 3290.49,958.66 3300.2,958.66 v1(3300.2,952.46)
VCOM1_RxD: R31.1 U3.99 U20.3 U22.B2 | length 1641.2
  L1 w6: U3.99@701.77,1430.33 701.77,1389.05 709.55,1381.27 709.55,1357.68 791.43,1275.8 797.41,1275.8 v2(799.22,1277.61) ; R31.1@1726.97,1177.27 1734.24,1170 v1(1760,1170) 1760.99,1170 1767.37,1176.38 U20.3@1788.19,1176.38
  L2 w6: v5(699.32,1472.14) 700.55,1470.91 700.55,1448.29 v2@702.28,1446.56 ; v2(799.22,1277.61) 799.22,1251.18 807.2,1243.2 807.69,1243.2 815.94,1234.94 v2(815.94,1234.46)
  L3 w6: v5(699.32,1472.14) 695.87,1475.59 695.87,1498.63 719.87,1522.64 751.37,1522.64 754.31,1525.58 798.53,1525.58 857.33,1466.78 857.33,1435.84 885.3,1407.87 885.3,1376.19 v4(880.43,1376.19)
  L4 w6: v4(880.43,1376.19) 885.83,1376.19 893.94,1376.19 914.94,1355.19 978.93,1355.19 1080.12,1254 1080.72,1254 1081.71,1253.01 1082.7,1253.01 1083.74,1251.97 1466.61,1251.97 1492.48,1226.09 1572.99,1226.09 1629.08,1170 v1(1760,1170)
  other v2: 701.77,1446.05
VCOM1_RxD_SYS: J6.22 R84.1 U20.6 | length 1986.4
  L1 w6: U20.6@1835.43,1160.63 1866.37,1160.63 1862.54,1156.8 1862.4,1156.93 v1(1860.63,1156.93) ; v1(2469.05,1040.34) 2463.7,1034.99 2463.7,956.45 2479,941.15 2489.07,941.15 R84.1@2496.67,933.55 ; v1(3401.17,1013.19) 3401.17,986.96 3438.12,950 J6.22@3461.22,950
  L4 w6: v1(1860.63,1156.93) 1867.84,1156.93 1867.98,1156.8 1930.64,1219.45 2289.93,1219.45 v1(2469.05,1040.34) 2471.04,1040.34 2485.49,1025.89 2646.36,1025.89 2660.72,1011.53 3194.32,1011.53 3272.3,933.55 3321.53,933.55 v1(3401.17,1013.19)
VCOM1_TxD: R32.1 U3.100 U21.3 U22.A1 | length 1433.5
  L1 w5.91: U3.100@682.09,1430.33 682.09,1455.17 682.38,1455.46 v2(682.09,1455.76)
  L1 w6: U3.100@682.09,1430.33 682.09,1391.9 697,1376.99 697,1353.4 U22.A1@790.35,1260.04 ; R32.1@1651.45,1197.65 1636.62,1212.48 1636.62,1230.35 1625,1241.97 v1(1625,1252.66) 1630.19,1257.85 U21.3@1655.35,1257.85
  L2 w6: v2(682.09,1455.76) 679.39,1458.45 677.88,1458.45 677.88,1480.7 688.23,1491.04 715.01,1491.04 v5(715.97,1492)
  L3 w6: v5(715.97,1492) 715.97,1488.21 723.14,1481.04 v4(723.14,1461.93)
  L4 w6: v4(723.14,1461.93) 727.66,1461.93 736.23,1453.36 742.43,1453.36 752.91,1442.88 759.39,1442.88 794.35,1407.91 896.01,1407.91 924.47,1379.45 988.35,1379.45 1089.99,1277.81 1091.88,1277.81 1092.57,1277.12 1099.85,1277.12 1100.14,1276.82 1475.43,1276.82 1502.34,1249.91 1622.24,1249.91 v1(1625,1252.66)
VCOM1_TxD_SYS: J6.20 R86.1 U21.6 | length 2017.9
  L1 w6: v1(1702,1223.38) 1702.59,1223.98 U21.6@1702.59,1242.11 ; R86.1@2496.25,1002.95 2503.09,1009.79 2503.09,1018.7 2519.03,1034.64 v1(2519.03,1062.02) ; v1(3400.19,1039.13) 3450.35,1039.13 J6.20@3461.22,1050
  L4 w6: v1(1702,1223.38) 1702,1218.79 1715.55,1205.24 1742.4,1205.24 1752.17,1215 1786.64,1215 1814.91,1243.26 2299.8,1243.26 2470.37,1072.69 2485.85,1072.69 2494.56,1063.98 2517.06,1063.98 v1(2519.03,1062.02) 2531.35,1049.7 2656.22,1049.7 2670.58,1035.34 3204.18,1035.34 3268.16,971.36 3332.42,971.36 v1(3400.19,1039.13)
VCOM2_CTS: R40.1 U3.57 U6.3 U22.E10 | length 583.2
  L1 w6: v2(1062.46,1144.52) 1125.72,1081.26 1125.72,1047.32 v1(1168.31,1004.73) 1177.95,1014.38 1216.15,1014.38 U3.57@1216.54,1013.99 ; v1(1386.42,1045.48) 1412.19,1045.48 R40.1@1412.4,1045.28 1418.3,1051.18 U6.3@1447.41,1051.18
  L2 w6: v2(1020.67,1157.68) 1049.3,1157.68 v2(1062.46,1144.52)
  L2 w12: v2(1020.67,1157.68) v2@1021.65,1156.7
  L4 w6: v1(1168.31,1004.73) 1168.76,1004.73 1197.5,1033.48 1371.55,1033.48 1383.56,1045.48 v1(1386.42,1045.48)
VCOM2_RTS: U3.71 U6.2 U22.D8 | length 817.5
  L1 w6: v2(1061.72,1222.26) 1072.23,1211.75 1103.26,1211.75 ; v1(1163.04,1108.27) 1152.35,1108.27 1103.26,1157.35 1103.26,1211.75 ; U3.71@1216.54,1289.58 1181.09,1289.58 1103.26,1211.75 ; v1(1439.56,1083.55) 1447.41,1075.7 U6.2@1447.41,1066.92
  L2 w6: v2@969.38,1183.15 969.95,1182.58 969.95,1152.45 v5(970.41,1151.98) ; v5(1041.26,1222.01) 1042.52,1223.27 1060.71,1223.27 v2(1061.72,1222.26)
  L3 w6: v5(970.41,1151.98) 970.41,1161.63 981.15,1172.36 1030.44,1221.65 1031.63,1222.84 1040.43,1222.84 v5(1041.26,1222.01)
  L4 w6: v1(1163.04,1108.27) 1171.08,1108.27 1208.1,1071.25 1329.77,1071.25 1360.92,1102.4 1420.71,1102.4 v1(1439.56,1083.55)
  other v2: 969.49,1183.27
VCOM2_RxD: R29.1 U3.58 U4.3 U22.D10 | length 716
  L1 w6: v2(1062.46,1170.11) 1079.24,1153.33 1079.24,1144.57 1137.62,1086.19 1137.62,1055.83 1155.24,1038.21 1159.2,1038.21 1165.46,1031.96 v1(1169.24,1031.96) 1171.73,1034.45 1215.75,1034.45 U3.58@1216.54,1033.67 ; v1(1409.45,1078.95) 1390.13,1098.27 1390.13,1180.12 1405.86,1195.86 R29.1@1411,1195.86 1417.9,1202.76 U4.3@1444.88,1202.76
  L2 w6: v2(1020.67,1183.27) 1033.83,1170.11 v2(1062.46,1170.11)
  L4 w6: v1@1169.26,1031.96 1182.69,1045.39 1359.59,1045.39 1378.59,1064.39 1394.25,1064.39 1394.57,1064.07 v1(1409.45,1078.95)
VCOM2_TxD: R25.1 U3.59 U4.2 U22.C10 | length 717.2
  L1 w6: v2(1062.46,1195.7) 1091.36,1166.8 1091.36,1149.3 1149.59,1091.06 1149.59,1070.59 v1(1163.07,1057.12) ; v1@1161.78,1055.87 1166,1051.65 1168.69,1054.34 1215.55,1054.34 U3.59@1216.54,1053.36 ; v1(1378.11,1083.29) 1378.13,1213.14 1391.92,1226.93 R25.1@1411,1226.93 1419.43,1218.5 U4.2@1444.88,1218.5
  L2 w6: v2(1020.67,1208.86) 1033.83,1195.7 v2(1062.46,1195.7)
  L4 w6: v1(1163.07,1057.12) 1165.29,1059.34 1354.16,1059.34 v1(1378.11,1083.29)
VDB_SW: Q3.3 R33.1 R42.1 R44.1 R49.2 R50.1 R51.1 R58.1 | length 2999.5
  L1 w6: v1(1055.01,538.86) 1053.34,537.18 1053.34,436.51 1094.55,395.3 R58.1@1133.35,395.3 ; R51.1@1092.25,564 1092.83,563.43 v1(1092.83,538.13) ; Q3.3@1306.75,945.58 1318.81,945.58 1327.46,936.93 v1@1327.46,927.41 ; v1(1325.01,928.6) 1325.01,928.46 1341.74,911.72 R44.1@1341.74,889.31 1353.84,889.31 1364.72,878.43 1364.72,843.96 1352.09,831.33 1352.09,682.91 v1(1350.39,681.2) ; R33.1@1504.79,1143 1506.26,1141.53 1541.06,1141.53 1577.76,1104.83 1577.76,1043.03 1521.93,987.2 R42.1@1507.4,987.2 v1(1507.4,962.24) ; v1(2807.53,717.89) 2814.47,717.89 R49.2@2830.93,701.43 ; v1(2937.65,718.76) 2940.5,718.76 R50.1@2958.41,700.84
  L4 w6: v1(1055.01,538.86) 1055.38,538.5 v1@1092.46,538.5 ; v1(1092.83,538.13) v1@1092.46,538.5 ; v1(1325.01,928.6) 1325.82,928.6 1338.85,941.63 1343.09,941.63 1363.46,962 1507.16,962 v1(1507.4,962.24) ; v1(1350.39,681.2) 1349.25,682.34 1332.97,682.34 1207.62,557 1110.96,557 v1@1092.46,538.5 ; v1@1507.52,962.12 1540.74,995.35 1674.03,995.35 1852.67,816.7 2302.4,816.7 2322.5,796.6 2323.9,796.6 2341.95,778.55 2341.95,777.15 2351.28,767.81 2719.84,767.81 2779.58,708.07 v1@2807.11,708.07 ; v1(2807.53,717.89) 2807.53,708.49 v1@2807.11,708.07 ; v1(2937.65,718.76) 2926.97,708.07 2921.45,702.55 2832.07,702.55 2826.55,708.07 v1@2807.11,708.07
VDD: C1.1 C3.1 C8.1 C10.1 C13.1 C14.1 C16.1 C20.1 C21.1 C28.1 C29.1 C31.1 C33.1 C34.1 C35.1 C37.1 C38.1 C42.1 C53.1 C54.1 C55.1 C56.1 C58.1 C60.1 C61.1 J11.1 Q1.2 Q2.2 Q3.4 Q7.4 Q8.4 Q9.4 R20.2 R21.2 R25.2 R29.2 R31.2 R32.2 R34.1 R36.2 R45.2 R48.2 R63.2 R66.2 R69.2 TP14.1 U3.8 U3.12 U3.22 U3.23 U3.30 U3.40 U3.48 U3.61 U3.62 U3.75 U3.89 U4.1 U6.1 U9.4 U9.6 U11.1 U12.1 U14.1 U16.5 U17.1 U20.1 U20.5 U21.1 U21.5 U22.B10 U22.E5 U22.E6 U22.E7 U22.F5 U22.G1 U22.G5 U22.K6 U22.L10 | length 11942.4
  L1 w5.91: 1020.56,957.1 1020.67,957.21 ; U3.75@1216.54,1368.32 U3.75@1241.81,1368.32 ; C3.1@1241.81,1392.01 1245.08,1395.28 1245.67,1395.28 C3.1@1246.06,1395.67
  L1 w6: C13.1@560.47,1145.75 566.51,1151.78 U3.12@620.08,1151.78 ; R69.2@573.87,1793.31 580.71,1800.15 v3(580.71,1817.91) 580.71,1819.88 587.6,1812.99 599.41,1812.99 C55.1@612.2,1800.2 ; Q1.2@821.34,1798.32 837.34,1798.32 847.91,1808.89 v1(847.91,1824.8) ; v1@957.68,750.28 v1(957.88,750.08) ; Q2.2@998.71,1797.34 1016.47,1797.34 ; v1(1025.28,1825.79) 1016.47,1816.98 1016.47,1797.34 ; 1075,1759.95 1039.48,1759.95 1027.25,1772.18 1027.25,1786.56 1016.47,1797.34 ; v1(1137.28,530.94) 1137.28,506.86 C42.1@1135.56,505.13 1135.56,503.82 1150,489.38 1162.69,489.38 1165,487.08 U17.1@1165,479.61 ; v1(1163.21,686.49) 1163.21,686.2 1145.4,668.4 C38.1@1145.4,667.81 1165,648.21 U14.1@1165,634.61 ; 1188.62,1450.31 1188.62,1424.45 v1(1217.8,1395.28) ; v1(1300.23,1116.73) 1302.59,1116.73 1319.13,1133.26 1342.22,1133.26 1356.94,1118.54 1356.94,1096.02 1343.8,1082.89 R34.1@1343.21,1082.89 ; R45.2@1304.24,857.82 1304.51,857.54 v1(1304.51,832.68) ; C54.1@1304.51,1882.87 C54.1@1308.07,1882.87 ; R66.2@1343.57,1861.22 R66.2@1345.47,1859.32 R66.2@1350.31,1854.49 ; Q3.4@1359.9,945.58 1361.14,944.34 1364.92,944.34 1364.92,917.84 v1(1366.32,916.44) ; v1(1411,1143) R29.2@1411,1164.36 ; 1426.18,812.15 1426.18,842.03 1427.65,843.5 1427.65,843.99 1435.19,851.52 U9.4@1450.05,851.52 ; U6.1@1471.03,1075.78 1471.03,1111.5 C16.1@1471.95,1112.41 v1(1496.45,1112.41) ; R63.2@1627.7,822.36 1634.84,815.22 1634.84,802.64 1647.75,789.73 C53.1@1647.75,781.59 1656.7,772.64 1679.35,772.64 1680.4,771.58 Q7.4@1703.9,771.58 ; R31.2@1726.97,1145.77 R31.2@1730.38,1142.36 ; R31.2@1730.31,1145.77 1733.73,1142.36 v1(1733.73,1123.7) ; 1879.16,1126.3 1948.02,1057.45 v1(1948.02,990.93) ; C29.1@2853.98,814.36 2861.25,807.1 U11.1@2861.25,785.78 ; C29.1@2854.22,817.95 2854.3,818.04 v1(2854.3,843.55) ; C31.1@2983.32,816.34 2989.87,809.78 U12.1@2989.87,784.45
  L1 w8: C20.1@517.53,982.49 C20.1@529.53,970.5 ; C21.1@556.18,943.84 C21.1@563.64,943.84 ; v2(566.57,1234.46) 570.51,1230.52 U3.8@620.08,1230.52 ; U3.23@620.08,935.25 572.24,935.25 C21.1@563.64,943.84 ; U3.22@620.08,954.93 578.36,954.93 567.27,943.84 C21.1@563.64,943.84 ; C33.1@757.1,773.62 C33.1@760.83,773.62 ; v2(892.72,1106.5) U22.F5@892.72,1132.09 U22.E5@892.72,1157.68 U22.E6@918.31,1157.68 v2(943.9,1157.68) ; C34.1@956.3,773.62 C34.1@957.68,775 ; U3.61@1216.54,1092.73 1217.26,1093.46 1246.98,1093.46 1263.64,1110.11 ; U3.62@1216.54,1112.41 1217.26,1113.14 1271.98,1113.14 1275.19,1116.35 C14.1@1275.78,1116.35 ; C54.1@1294.67,1873.03 C54.1@1304.51,1882.87 ; C54.1@1308.07,1882.87 1329.72,1861.22 R66.2@1343.57,1861.22 ; R66.2@1350.31,1854.49 1361.57,1854.49 1391.25,1824.8 Q8.4@1420.83,1824.8 ; v1(1383.89,819.55) 1383.89,817.91 1405.66,817.91 C28.1@1405.86,818.12 ; C28.1@1412.4,818.12 1418.37,812.15 1426.18,812.15 U9.6@1450.05,812.15 ; C8.1@1455.71,1273.46 1455.71,1259.91 1468.5,1247.11 U4.1@1468.5,1227.36 ; v3(1621.98,852.44) 1621.98,828.08 R63.2@1627.7,822.36 ; R32.2@1654.17,1166.16 1678.48,1166.16 ; C58.1@1678.97,1314.94 U21.1@1678.97,1282.46 U21.5@1678.97,1230.29 1678.97,1166.65 1678.48,1166.16 ; R31.2@1730.31,1145.77 R31.2@1726.97,1145.77 1716.87,1145.77 1696.49,1166.16 1678.48,1166.16 ; R21.2@1801.18,1345.47 R20.2@1835.63,1345.47 1863.33,1345.47 1870,1338.8 ; C56.1@1805.91,1232.45 1811.81,1226.54 U20.1@1811.81,1200.98 U20.5@1811.81,1148.82 1811.81,1128.34 1808.47,1125 ; 1878.53,1126.75 1878.53,1143.25 1880.09,1144.81 1880.09,1148.25 1885,1153.15 1885,1307 1870,1322 1870,1338.8 ; 1879.16,1126.3 1879.89,1127.03 ; J11.1@1903,1603.58 1920.48,1621.06 1969.52,1621.06 1990,1600.58 1990,1458.8 1870,1338.8
  L1 w10: C20.1@517.53,982.49 516.15,982.49 477.36,1021.28 R36.2@477.36,1053.43 480.39,1053.43 486.22,1059.26 495.22,1059.26 495.3,1059.34 500.89,1059.34 534,1092.45 534,1139.78 539.96,1145.75 C13.1@560.47,1145.75 ; C33.1@760.83,777.35 U3.30@760.83,833.87 760.83,1012.99 740.16,1033.66 740.16,1073.31 757.17,1073.31 v2(790.35,1106.51) ; C34.1@957.68,775 U3.40@957.68,833.87 957.68,888.56 1014.7,945.58 C60.1@1019.11,945.58 ; C60.1@1014.96,950.32 1020.67,956.04 1020.67,957.21 U22.L10@1020.67,1004.1 ; 1075,1759.95 1090.55,1744.4 1090.55,1548.38 1188.62,1450.31 ; U3.48@1115.16,833.87 1115.16,754.89 v1(1118.06,751.99) ; v1(1217.8,1395.28) C3.1@1245.08,1395.28 ; U3.75@1241.81,1368.32 C3.1@1241.81,1392.01 ; v3(1267.56,1863.19) 1274.64,1870.27 1291.91,1870.27 C54.1@1294.67,1873.03 ; C14.1@1275.78,1116.35 1275.97,1116.54 1300.04,1116.54 v1(1300.23,1116.73) ; v1(1364.77,1230.52) 1387.44,1253.19 1405.76,1253.19 R25.2@1411,1258.43 1440.68,1258.43 C8.1@1455.71,1273.46 ; v1(1733.73,1123.7) 1735.02,1125 1808.47,1125 ; TP14.1@1808.47,1080.34 1808.47,1125 ; 1879.16,1126.3 1877.86,1125 1808.47,1125 ; v1(2978.49,840.59) 2978.49,821.17 C31.1@2983.32,816.34
  L1 w12: v3(351.38,1789.37) Q9.4@370.47,1789.37 ; C20.1@529.53,970.5 553.34,946.68 553.34,906.07 679.29,780.12 679.29,760.23 689.9,749.62 779.62,749.62 780.51,750.52 780.51,773.62 ; C33.1@760.83,773.62 780.51,773.62 ; R48.2@761.42,615 812,615 813.86,616.86 U16.5@891.73,616.86 ; v1(888.93,1542.07) 889.55,1542.69 902.07,1530.17 902.07,1489.24 898.62,1485.79 U3.89@898.62,1430.33 ; U16.5@891.73,598.27 U16.5@891.73,616.86 ; v1@941.83,734.43 920.94,713.54 C37.1@920.94,639.92 897.89,616.86 U16.5@891.73,616.86 ; v1@942.04,734.43 v1(942.04,736.13) ; v1@943.74,736.34 957.68,750.28 956.3,751.66 956.3,773.62 780.51,773.62
  L2 w12: v2@558.24,1143.88 v5(576.06,1143.88) ; v2@566.69,1234.36 v5(584.51,1234.36) ; v5(777.6,1093.9) v2@790.2,1106.5 ; v5(873.06,1107.26) 873.71,1106.61 v2@892.61,1106.61 ; v2(892.72,1106.5) 892.72,1131.83 v5(892.61,1131.94) 892.61,1134.1 898.53,1140.03 898.53,1140.28 910.03,1151.78 938,1151.78 v2(943.9,1157.68) ; v5(901.06,1027.74) 902.29,1028.98 917.59,1028.98 v2(918.31,1029.7) ; v5(1003.52,1233.26) 1004.12,1233.86 1019.85,1233.86 v2@1020.56,1234.56
  L3 w8: v1(1118.06,751.99) 1161.82,708.23 v1@1161.82,686.49 ; v1(1137.28,530.94) 1147.45,541.11 1147.45,541.53 1161.82,555.9 v1@1161.82,686.49 ; v1(1163.21,686.49) v1@1161.82,686.49 ; 1223.83,751.99 v1(1304.51,832.68)
  L3 w10: v1(1118.06,751.99) 1118.06,771.47 1217.8,871.22 1217.8,1116.73 ; v1(1217.8,1395.28) 1217.8,1116.73 ; v1(1300.23,1116.73) 1217.8,1116.73
  L3 w12: v5(576.06,1143.88) 584.51,1152.33 v5(584.51,1234.36) ; v5(777.6,1093.9) 779.76,1093.9 793.16,1080.5 844.95,1080.5 871.72,1107.26 v5(873.06,1107.26) ; v1(888.93,1542.07) 901.02,1542.07 1031.51,1411.58 1201.5,1411.58 v1(1217.8,1395.28) ; v5(901.06,1027.74) 899.53,1029.27 882.38,1029.27 882.33,1029.33 872.39,1029.33 ; v4(930.47,928.09) 910.91,928.09 v4(899.82,939.18) 894.41,939.18 872.39,961.21 872.39,1029.33 ; v1(942.04,736.13) 943.93,736.13 v1(957.88,750.08) 993.95,714 1080.06,714 v1(1118.06,751.99) 1223.83,751.99 ; v5(1003.52,1233.26) 1001.99,1231.73 1001.99,1214.54 939.94,1152.49 913.16,1152.49 v5(892.61,1131.94) 872.39,1111.72 872.39,1107.93 872.39,1029.33
  L4 w6: 1357,817.91 1357,909.92 1364.92,917.84 v1(1366.32,916.44) ; v1(1948.02,990.93) 2049.63,889.31 2132.52,889.31 2132.56,889.35 2664.71,889.35 2665.55,888.52 2805.5,888.52 2854.06,839.96 2901.98,839.96 2921.33,859.31 2966.36,859.31 2978.49,847.18 v1(2978.49,840.59)
  L4 w8: v3(351.38,1789.37) 552.17,1789.37 v3(580.71,1817.91) 598.62,1800 823.11,1800 v1(847.91,1824.8) ; v1(1304.51,832.68) 1319.28,817.91 1357,817.91 1382.91,817.91 1382.91,818.57 v1(1383.89,819.55) 1435.53,871.19 1435.53,888.5 1477.46,930.43 1562.98,930.43 1621.98,871.42 v3(1621.98,852.44)
  L4 w10: v1(847.91,1824.8) 848.9,1825.79 v1(1025.28,1825.79) 1039.79,1811.28 1154.43,1811.28 1206.34,1863.19 v3(1267.56,1863.19) ; v1(1300.23,1116.73) 1302.22,1116.73 1328.49,1143 1365.27,1143 ; v1(1364.77,1230.52) 1364.72,1230.47 1364.72,1143.55 1365.27,1143 ; v1(1733.73,1123.7) 1732.43,1125 1720,1125 1712.9,1132.1 1516.13,1132.1 v1(1496.45,1112.41) 1441.59,1112.41 v1(1411,1143) 1365.27,1143
  L4 w12: v4(899.82,939.18) 910.91,928.09 v4(930.47,928.09) 930.47,777.48 v1(957.88,750.08) 943.93,736.13 v1(942.04,736.13)
  other v2: 558.12,1143.98 1020.67,1234.45
  other v4: 930.47,845.66 930.47,863.07 911.6,927.41